# Altium PCB EPS_v1.PcbDoc (part 1 of 4) (continued)
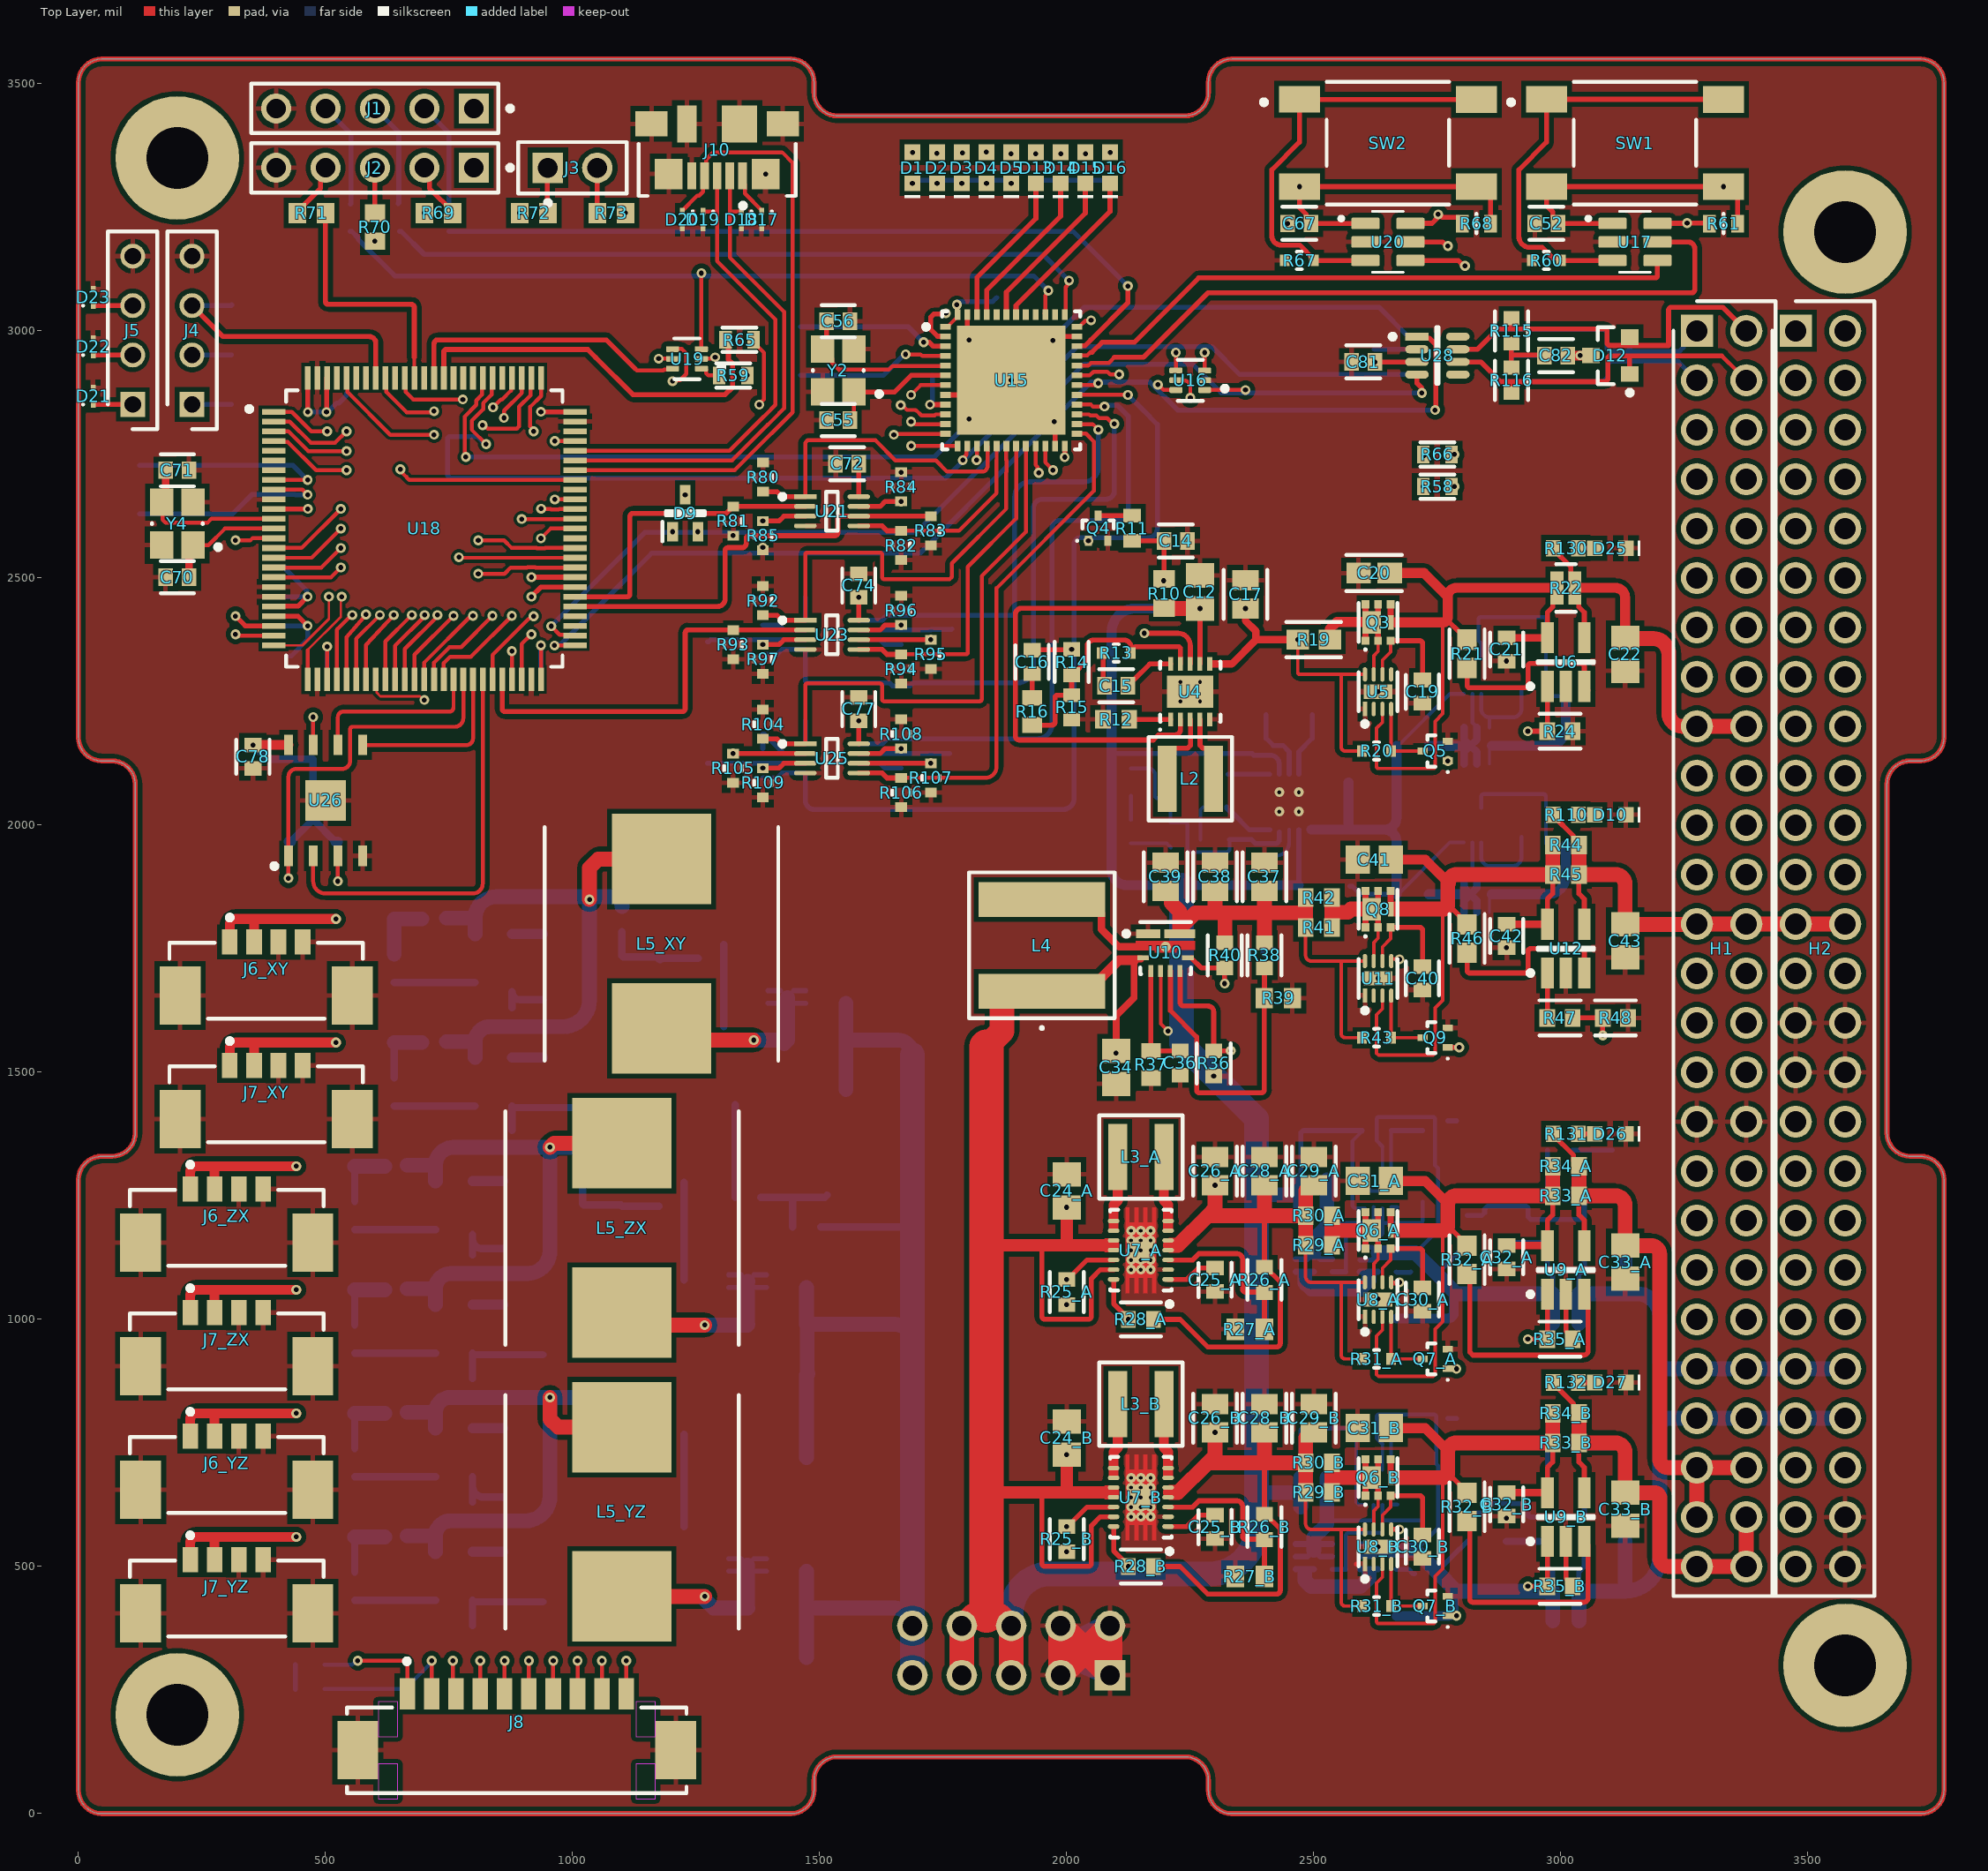
[diagram p0: Top Layer view]
## Components (designator, comment, footprint, x,y, rotation, side; value= is the part's Value field where it differs from the comment) (continued)
C53 "1.5pF" FP-C0603C-CF-MFG 1437.6,3008.27 r180 bottom locked value="1.5 pF"
C54 "1.5pF" FP-C0603C-CF-MFG 1437.6,2909.84 r180 bottom locked value="1.5 pF"
C55 "3.9pF" FP-CBR06C-MFG 1537.6,2819.68 r180 top locked value="3.9 pF"
C56 "3.9pF" FP-CBR06C-MFG 1537.6,3019.68 r0 top locked value="3.9 pF"
C57 "0.1uF" FP-C0603C-CF-MFG 463.78,2905.12 r90 bottom locked value="0.10 μF"
C58 "0.1uF" FP-C0603C-CF-MFG 1005.12,2836.22 r0 bottom locked value="0.10 μF"
C59 "0.1uF" FP-C0603C-CF-MFG 936.22,2294.88 r270 bottom locked value="0.10 μF"
C60 "0.1uF" FP-C0603C-CF-MFG 503.15,2294.88 r270 bottom locked value="0.10 μF"
C61 "0.1uF" FP-C0603C-CF-MFG 394.88,2639.37 r180 bottom locked value="0.10 μF"
C62 "4.7uF" FP-GRM188-0_15-IPC_A 542.52,2905.12 r90 bottom locked
C63 "0.1uF" FP-C0603C-CF-MFG 394.88,2521.26 r180 bottom locked value="0.10 μF"
C64 "1uF" CAPC1608X90X35LL15T15 394.88,2462.2 r180 bottom locked
C65 "1uF" CAPC1608X90X35LL15T15 394.88,2403.15 r180 bottom locked
C66 "10nF" FP-GRM188-0_1-e0_2_0_5-IPC_A 394.88,2342.13 r180 bottom locked
C67 "0.1uF" FP-C0603C-CF-MFG 2470.87,3217.4 r180 top locked value="0.10 μF"
C68 "1.5pF" FP-C0603C-CF-MFG 100,2727.95 r180 bottom locked value="1.5 pF"
C69 "1.5pF" FP-C0603C-CF-MFG 100,2629.53 r180 bottom locked value="1.5 pF"
C70 "3.9pF" FP-CBR06C-MFG 200,2501.57 r180 top locked value="3.9 pF"
C71 "3.9pF" FP-CBR06C-MFG 200,2718.11 r0 top locked value="3.9 pF"
C72 "0.1uF" FP-C0603C-CF-MFG 1555.55,2731.38 r0 top locked value="0.10 μF"
C73 "0.1uF" FP-C0603C-CF-MFG 1470.83,2485 r270 bottom locked value="0.10 μF"
C74 "0.1uF" FP-C0603C-CF-MFG 1579.17,2485 r270 top locked value="0.10 μF"
C75 "0.1uF" FP-C0603C-CF-MFG 1470.83,2235 r270 bottom locked value="0.10 μF"
C77 "0.1uF" FP-C0603C-CF-MFG 1579.17,2235 r270 top locked value="0.10 μF"
C78 "0.1uF" FP-C0603C-CF-MFG 353.25,2138.58 r270 top locked value="0.10 μF"
C79 "0.1uF" FP-C0603C-CF-MFG 2600,2962.8 r180 bottom locked value="0.10 μF"
C80 "C0603C472K2RACTU" FP-C0603C-CF-MFG 2990,2950 r0 bottom locked value="4,700 pF"
C81 "0.1uF" FP-C0603C-CF-MFG 2600,2937.2 r180 top locked value="0.10 μF"
C82 "C0603C472K2RACTU" FP-C0603C-CF-MFG 2990,2950 r0 top locked value="4,700 pF"
C83_XY "0.1uF" FP-C0603C-CF-MFG 940,1756.23 r270 bottom locked value="0.10 μF" (schematic designator C83)
C83_YZ "0.1uF" FP-C0603C-CF-MFG 860,756.23 r270 bottom locked value="0.10 μF" (schematic designator C83)
C83_ZX "0.1uF" FP-C0603C-CF-MFG 860,1256.23 r270 bottom locked value="0.10 μF" (schematic designator C83)
C85_XY "0.1uF" FP-C0603C-CF-MFG 940,1506.23 r270 bottom locked value="0.10 μF" (schematic designator C85)
C85_YZ "0.1uF" FP-C0603C-CF-MFG 860,506.23 r270 bottom locked value="0.10 μF" (schematic designator C85)
C85_ZX "0.1uF" FP-C0603C-CF-MFG 860,1006.23 r270 bottom locked value="0.10 μF" (schematic designator C85)
C87_XY "0.1uF" FP-C0603C-CF-MFG 1281.97,1592.48 r180 bottom locked value="0.10 μF" (schematic designator C87)
C87_YZ "0.1uF" FP-C0603C-CF-MFG 1201.97,581.04 r180 bottom locked value="0.10 μF" (schematic designator C87)
C87_ZX "0.1uF" FP-C0603C-CF-MFG 1201.97,1079.77 r180 bottom locked value="0.10 μF" (schematic designator C87)
C88 "22uF" FP-GRM21B-0_2-e0_2_0_7-IPC_C#2 1473.31,518.84 r90 bottom locked
C89 "22uF" FP-GRM21B-0_2-e0_2_0_7-IPC_C#2 1447.21,890.12 r180 bottom locked
C90 "22uF" FP-GRM21B-0_2-e0_2_0_7-IPC_C#2 1524.73,1465.12 r180 bottom locked
C91 "22uF" FP-GRM21B-0_2-e0_2_0_7-IPC_C#2 1473.31,1093.1 r90 bottom locked
C92 "22uF" FP-GRM21B-0_2-e0_2_0_7-IPC_C#2 1444.73,315.85 r180 bottom locked
C93 "22uF" FP-GRM21B-0_2-e0_2_0_7-IPC_C#2 1553.31,1668.1 r90 bottom locked
C94 "0.1uF" FP-C0603C-CF-MFG 1449.68,720.12 r180 bottom locked value="0.10 μF"
C95 "0.1uF" FP-C0603C-CF-MFG 1449.68,800.12 r180 bottom locked value="0.10 μF"
C96 "0.1uF" FP-C0603C-CF-MFG 1515,1275.24 r90 bottom locked value="0.10 μF"
C97 "0.1uF" FP-C0603C-CF-MFG 1353.03,1400.77 r0 bottom locked value="0.10 μF"
C98 "0.1uF" FP-C0603C-CF-MFG 1751.77,2909.84 r0 bottom locked value="0.10 μF"
C104_XY "0.1uF" FP-C0603C-CF-MFG 1180,1707.04 r270 bottom locked value="0.10 μF" (schematic designator C104)
C104_YZ "0.1uF" FP-C0603C-CF-MFG 1100,704.11 r270 bottom locked value="0.10 μF" (schematic designator C104)
C104_ZX "0.1uF" FP-C0603C-CF-MFG 1100,1205.29 r270 bottom locked value="0.10 μF" (schematic designator C104)
D1 "150060RS75000" WL-SMCW_0603_150060xx75000 1687.6,3330 r90 top locked
D2 "150060RS75000" WL-SMCW_0603_150060xx75000 1737.6,3330 r90 top locked
D3 "150060RS75000" WL-SMCW_0603_150060xx75000 1787.6,3330 r90 top locked
D4 "150060RS75000" WL-SMCW_0603_150060xx75000 1837.6,3330 r90 top locked
D5 "150060RS75000" WL-SMCW_0603_150060xx75000 1887.6,3330 r90 top locked
D6 "ESD9B5.0ST5G" ONSC-SOD-923-2-514AB-01_V 309.84,2867.73 r90 bottom locked
D7 "ESD9B5.0ST5G" ONSC-SOD-923-2-514AB-01_V 309.84,2967.73 r90 bottom locked
D8 "ESD9B5.0ST5G" ONSC-SOD-923-2-514AB-01_V 309.84,3067.73 r90 bottom locked
D9 "BAS40-05W" SOT65P210X110-3N 1227.83,2631.06 r90 top locked
D10 "150060RS75000" WL-SMCW_0603_150060xx75000 3100,2021.02 r180 top locked
D11 "NUP2105LT1G" ONSC-SOT-23-3-318-08_V 3100,2950 r180 bottom locked
D12 "NUP2105LT1G" ONSC-SOT-23-3-318-08_V 3100,2950 r180 top locked
D13 "150060RS75000" WL-SMCW_0603_150060xx75000 1937.6,3330 r90 top locked
D13_XY "NRVB120VLSFT1G" SODFL3616X98N 580,1810 r180 bottom locked (schematic designator D13)
D13_YZ "NRVB120VLSFT1G" SODFL3616X98N 500,810 r180 bottom locked (schematic designator D13)
D13_ZX "NRVB120VLSFT1G" SODFL3616X98N 500,1310 r180 bottom locked (schematic designator D13)
D14 "150060RS75000" WL-SMCW_0603_150060xx75000 1987.6,3330 r90 top locked
D14_XY "NRVB120VLSFT1G" SODFL3616X98N 580,1560 r180 bottom locked (schematic designator D14)
D14_YZ "NRVB120VLSFT1G" SODFL3616X98N 500,560 r180 bottom locked (schematic designator D14)
D14_ZX "NRVB120VLSFT1G" SODFL3616X98N 500,1060 r180 bottom locked (schematic designator D14)
D15 "150060RS75000" WL-SMCW_0603_150060xx75000 2037.6,3330 r90 top locked
D15_XY "NRVB120VLSFT1G" SODFL3616X98N 1494.25,1565.12 r180 bottom locked (schematic designator D15)
D15_YZ "NRVB120VLSFT1G" SODFL3616X98N 1414.25,415.85 r180 bottom locked (schematic designator D15)
D15_ZX "NRVB120VLSFT1G" SODFL3616X98N 1414.25,990.12 r180 bottom locked (schematic designator D15)
D16 "150060RS75000" WL-SMCW_0603_150060xx75000 2087.6,3330 r90 top locked
D17 "ESD9B5.0ST5G" ONSC-SOD-923-2-514AB-01_V 1382.56,3225 r270 top locked
D18 "ESD9B5.0ST5G" ONSC-SOD-923-2-514AB-01_V 1341.2,3225 r270 top locked
D19 "ESD9B5.0ST5G" ONSC-SOD-923-2-514AB-01_V 1263.8,3225 r270 top locked
D20 "ESD9B5.0ST5G" ONSC-SOD-923-2-514AB-01_V 1222.3,3225 r270 top locked
D21 "ESD9B5.0ST5G" ONSC-SOD-923-2-514AB-01_V 29.84,2867.73 r90 top locked
D22 "ESD9B5.0ST5G" ONSC-SOD-923-2-514AB-01_V 29.84,2967.73 r90 top locked
D23 "ESD9B5.0ST5G" ONSC-SOD-923-2-514AB-01_V 29.84,3067.73 r90 top locked
D25 "150060RS75000" WL-SMCW_0603_150060xx75000 3100,2560.3 r180 top locked
D26 "150060RS75000" WL-SMCW_0603_150060xx75000 3100,1375.43 r180 top locked
D27 "150060RS75000" WL-SMCW_0603_150060xx75000 3100,872.32 r180 top locked
H1 "ESQ-126-39-G-D-001" RHDR52W64P254_2X26_6654X495X1135P 3275.2,3000 r270 top locked
H2 "ESQ-126-39-G-D-001" RHDR52W64P254_2X26_6654X495X1135P 3475.2,3000 r270 top locked
J1 "90120-0125" FP-90120-0125-MFG 600,3450 r180 top locked
J2 "90120-0125" FP-90120-0125-MFG 600,3330 r180 top locked
J3 "M20-9990245" FP-M20-9990245-MFG 1000,3330 r0 top locked
J4 "90120-0124" HDRV4W65P0X254_1X4_1016X254X945P 229.84,2851.2 r90 top locked
J5 "90120-0124" HDRV4W65P0X254_1X4_1016X254X945P 109.84,2851.2 r90 top locked
J6_XY "533980471" FP-533980471-MFG 380,1685 r180 top locked (schematic designator J6)
J6_YZ "533980471" FP-533980471-MFG 300,685 r180 top locked (schematic designator J6)
J6_ZX "533980471" FP-533980471-MFG 300,1185 r180 top locked (schematic designator J6)
J7_XY "533980471" FP-533980471-MFG 380,1435 r180 top locked (schematic designator J7)
J7_YZ "533980471" FP-533980471-MFG 300,435 r180 top locked (schematic designator J7)
J7_ZX "533980471" FP-533980471-MFG 300,935 r180 top locked (schematic designator J7)
J8 "53261-1071" FP-532611071-MFG 887,147.9 r180 top locked
J9 "IPT1-105-03-L-D" FP-IPT1-105-03-L-D-MFG 1887.6,330 r180 bottom locked
J10 "473460001" FP-473460001-MFG 1292.5,3405 r180 top locked
L1 "XGL4020-472MEC" FP-XGL4020-MFG 2450,2223.17 r180 bottom locked value=4.7uH
L2 "XGL4020-472MEC" FP-XGL4020-MFG 2250,2093.74 r180 top locked value=4.7uH
L3_A "XGL4020-152MEC" FP-XGL4020-MFG 2150,1328.57 r0 top locked value=1.5uH (schematic designator L3)
L3_B "XGL4020-152MEC" FP-XGL4020-MFG 2150,828.57 r0 top locked value=1.5uH (schematic designator L3)
L4 "XAL7030-102MEC" XAL7030102MEC 1949.68,1756.69 r90 top locked
L5_XY "MSS1278H-104KED" INDPM120120X805N 1180,1760 r270 top locked (schematic designator L5)
L5_YZ "MSS1278H-104KED" INDPM120120X805N 1100,610.74 r270 top locked (schematic designator L5)
L5_ZX "MSS1278H-104KED" INDPM120120X805N 1100,1185 r270 top locked (schematic designator L5)
Q1 "SSM6K514NU,LF" UDFN6B 2830,1860 r0 bottom locked
Q2 "SSM6K514NU,LF" UDFN6B 2830,2160 r0 bottom locked
Q3 "SSM6K514NU,LF" UDFN6B 2630,2410 r0 top locked
Q4 "DTC144EET1G" ONSC-SC-75-3-463-01_V 2063.62,2600.77 r90 top locked
Q5 "DTC144EET1G" ONSC-SC-75-3-463-01_V 2745.49,2150 r180 top locked
Q6_A "SSM6K514NU,LF" UDFN6B 2630,1180 r0 top locked (schematic designator Q6)
Q6_B "SSM6K514NU,LF" UDFN6B 2630,680 r0 top locked (schematic designator Q6)
Q7_A "DTC144EET1G" ONSC-SC-75-3-463-01_V 2745.49,920 r180 top locked (schematic designator Q7)
Q7_B "DTC144EET1G" ONSC-SC-75-3-463-01_V 2745.49,420 r180 top locked (schematic designator Q7)
Q8 "SSM6K514NU,LF" UDFN6B 2630,1830 r0 top locked
Q9 "DTC144EET1G" ONSC-SC-75-3-463-01_V 2745.49,1570 r180 top locked
Q10_M "SSM6K514NU,LF" UDFN6B 2500,1120 r270 bottom locked (schematic designator Q10)
Q10_N "SSM6K514NU,LF" UDFN6B 2500,520 r270 bottom locked (schematic designator Q10)
Q11_M "SSM6K514NU,LF" UDFN6B 2630,1120 r270 bottom locked (schematic designator Q11)
Q11_N "SSM6K514NU,LF" UDFN6B 2630,520 r270 bottom locked (schematic designator Q11)
Q12_M "DTC144EET1G" ONSC-SC-75-3-463-01_V 2745.49,1381.97 r180 bottom locked (schematic designator Q12)
Q12_N "DTC144EET1G" ONSC-SC-75-3-463-01_V 2745.49,780 r180 bottom locked (schematic designator Q12)
R1 "100K" RESC1608X55X30ML20T10 2397.12,1848.4 r90 bottom locked
R2 "33.2K" RESC1608X55X30NL15T15 2300,2103.01 r0 bottom locked
R3 "10K" FP-RK73B1J-MFG 2300,1970.53 r0 bottom locked
R4 "1M" FP-ERJ3EK-IPC_C 2210,1980 r90 bottom locked
R5 "576K" RESC1608X55X30LL15T15#1 2210,2078.41 r270 bottom locked
R6 "15K" RESC1608X55X30NL20T10 2130,2086.91 r270 bottom locked
R7 "0.5 OHM" FP-CSR0603-IPC_A 2700,1860 r0 bottom locked
R8 "0.25 Ohm" FP-CSR0603-IPC_A 2700,2160 r0 bottom locked
R9 "10K" FP-RK73B1J-MFG 2886.1,2390 r0 bottom locked
R10 "100K" RESC1608X55X30ML20T10 2197.12,2468.51 r270 top locked
R11 "100" RESC1608X55X30LL20T10 2131.99,2600.68 r270 top locked
R12 "33.2K" RESC1608X55X30NL15T15 2100,2213.9 r0 top locked
R13 "10K" FP-RK73B1J-MFG 2100,2348.21 r0 top locked
R14 "1M" FP-ERJ3EK-IPC_C 2010,2330 r270 top locked
R15 "576K" RESC1608X55X30LL15T15#1 2010,2238.5 r90 top locked
R16 "15K" RESC1608X55X30NL20T10 1930,2230 r90 top locked
R19 "0.2 OHM" FP-CSR0603-IPC_A 2500,2375.28 r0 top locked
R20 "10K" FP-RK73B1J-MFG 2627.05,2150 r0 top locked
R21 "A 100" FP-ERA3A-IPC_B 2810,2346.71 r270 top locked
R22 "0.025" FP-PRL0816-MFG 3010,2480 r0 top locked
R24 "4.99K" FP-ERA3A-IPC_C 2998.21,2190 r0 top locked
R25_A "1M" FP-ERJ3EK-IPC_C 2000,1055.32 r90 top locked (schematic designator R25)
R25_B "1M" FP-ERJ3EK-IPC_C 2000,555.32 r90 top locked (schematic designator R25)
R26_A "1M" FP-ERJ3EK-IPC_C 2400,1080 r90 top locked (schematic designator R26)
R26_B "1M" FP-ERJ3EK-IPC_C 2400,580 r90 top locked (schematic designator R26)
R27_A "F180K" RESC1608X55X30ML20T10 2370.47,980 r0 top locked (schematic designator R27)
R27_B "F180K" RESC1608X55X30ML20T10 2370.47,480 r0 top locked (schematic designator R27)
R28_A "1M" FP-ERJ3EK-IPC_C 2150,1000 r0 top locked (schematic designator R28)
R28_B "1M" FP-ERJ3EK-IPC_C 2150,500 r0 top locked (schematic designator R28)
R29_A "0.05 Ohm" RESC1608X55X30NL15T15 2510,1150 r0 top locked (schematic designator R29)
R29_B "0.05 Ohm" RESC1608X55X30NL15T15 2510,650 r0 top locked (schematic designator R29)
R30_A "0.05 Ohm" RESC1608X55X30NL15T15 2510,1210 r0 top locked (schematic designator R30)
R30_B "0.05 Ohm" RESC1608X55X30NL15T15 2510,710 r0 top locked (schematic designator R30)
R31_A "10K" FP-RK73B1J-MFG 2627.05,920 r0 top locked (schematic designator R31)
R31_B "10K" FP-RK73B1J-MFG 2627.05,420 r0 top locked (schematic designator R31)
R32_A "A 100" FP-ERA3A-IPC_B 2810,1120.64 r270 top locked (schematic designator R32)
R32_B "A 100" FP-ERA3A-IPC_B 2810,620.64 r270 top locked (schematic designator R32)
R33_A "0.05 Ohm" RESC1608X55X30NL15T15 3010,1250 r0 top locked (schematic designator R33)
R33_B "0.05 Ohm" RESC1608X55X30NL15T15 3010,750 r0 top locked (schematic designator R33)
R34_A "0.05 Ohm" RESC1608X55X30NL15T15 3010,1310 r0 top locked (schematic designator R34)
R34_B "0.05 Ohm" RESC1608X55X30NL15T15 3010,810 r0 top locked (schematic designator R34)
R35_A "4.99K" FP-ERA3A-IPC_C 2998.21,960 r0 top locked (schematic designator R35)
R35_B "4.99K" FP-ERA3A-IPC_C 2998.21,460 r0 top locked (schematic designator R35)
R36 "1M" FP-ERJ3EK-IPC_C 2297.36,1517.84 r270 top locked
R37 "82.5K" RESC1608X55X30NL20T10 2170.47,1515.91 r90 top locked
R38 "1M" FP-ERJ3EK-IPC_C 2400,1736.59 r270 top locked
R39 "332K" RESC1608X55X30ML15T15 2428.11,1650 r180 top locked
R40 "1M" FP-ERJ3EK-IPC_C 2320,1736.59 r270 top locked
R41 "0.05 Ohm" RESC1608X55X30NL15T15 2510,1793.09 r0 top locked
R42 "0.05 Ohm" RESC1608X55X30NL15T15 2510,1853.09 r0 top locked
R43 "10K" FP-RK73B1J-MFG 2627.05,1570 r0 top locked
R44 "0.05 Ohm" RESC1608X55X30NL15T15 3010,1960 r0 top locked
R45 "0.05 Ohm" RESC1608X55X30NL15T15 3010,1900 r0 top locked
R46 "A 100" FP-ERA3A-IPC_B 2810,1770.64 r270 top locked
R47 "4.99K" FP-ERA3A-IPC_C 2998.21,1610 r0 top locked
R48 "4.99K" FP-ERA3A-IPC_C 3110.32,1610 r0 top locked
R49_M "0.05 Ohm" RESC1608X55X30NL15T15 2500,1280 r0 bottom locked (schematic designator R49)
R49_N "0.05 Ohm" RESC1608X55X30NL15T15 2500,620 r0 bottom locked (schematic designator R49)
R50_M "0.05 Ohm" RESC1608X55X30NL15T15 2500,1220 r0 bottom locked (schematic designator R50)
R50_N "0.05 Ohm" RESC1608X55X30NL15T15 2500,680 r0 bottom locked (schematic designator R50)
R51_M "10K" FP-RK73B1J-MFG 2627.05,1381.97 r0 bottom locked (schematic designator R51)
R51_N "10K" FP-RK73B1J-MFG 2627.05,780 r0 bottom locked (schematic designator R51)
R53_M "A 100" FP-ERA3A-IPC_B 2810,1179.36 r90 bottom locked (schematic designator R53)
R53_N "A 100" FP-ERA3A-IPC_B 2810,579.36 r90 bottom locked (schematic designator R53)
R54_M "0.05 Ohm" RESC1608X55X30NL15T15 3010,990.63 r0 bottom locked (schematic designator R54)
R54_N "0.05 Ohm" RESC1608X55X30NL15T15 3010,390.63 r0 bottom locked (schematic designator R54)
R55_M "0.05 Ohm" RESC1608X55X30NL15T15 3010,1050 r0 bottom locked (schematic designator R55)
R55_N "0.05 Ohm" RESC1608X55X30NL15T15 3010,450 r0 bottom locked (schematic designator R55)
R56_M "4.99K" FP-ERA3A-IPC_C 2998.21,1340 r0 bottom locked (schematic designator R56)
R56_N "4.99K" FP-ERA3A-IPC_C 2998.21,740 r0 bottom locked (schematic designator R56)
R57_M "4.99K" FP-ERA3A-IPC_C 3130,1340 r0 bottom locked (schematic designator R57)
R57_N "4.99K" FP-ERA3A-IPC_C 3130,740 r0 bottom locked (schematic designator R57)
R58 "100 ohm" FP-ERJP03-MFG 2750,2685 r180 top locked
R59 "100 ohm" FP-ERJP03-MFG 1325,2909.84 r0 top locked
R60 "10K" FP-RK73B1J-MFG 2970.87,3142.6 r0 top locked
R61 "100K" FP-ERA3A-MFG 3329.13,3216.99 r180 top locked
R62 "ERJ-3EKF49R9V" RESC1608X55X30ML15T15 750,3230 r90 bottom locked
R63 "ERJ-3EKF49R9V" RESC1608X55X30ML15T15 650,3230 r90 bottom locked
R64 "ERJ-3EKF49R9V" RESC1608X55X30ML15T15 550,3230 r90 bottom locked
R65 "100 ohm" FP-ERJP03-MFG 1337.78,2981.9 r180 top locked
R66 "100 ohm" FP-ERJP03-MFG 2750,2750 r180 top locked
R67 "10K" FP-RK73B1J-MFG 2470.87,3142.6 r0 top locked
R68 "100K" FP-ERA3A-MFG 2829.13,3216.99 r180 top locked
R69 "ERJ-3EKF49R9V" RESC1608X55X30ML15T15 728.54,3238.54 r0 top locked
R70 "ERJ-3EKF49R9V" RESC1608X55X30ML15T15 600,3210 r90 top locked
R71 "ERJ-3EKF49R9V" RESC1608X55X30ML15T15 471.46,3238.54 r180 top locked
R72 "ERJ-3EKF49R9V" RESC1608X55X30ML15T15 921.46,3238.54 r0 top locked
R73 "ERJ-3EKF49R9V" RESC1608X55X30ML15T15 1078.54,3238.54 r180 top locked
R74 "ERJ-3EKF3300V" RESC1608X55X30LL15T15#2 1687.6,3330 r90 bottom locked
R75 "ERJ-3EKF3300V" RESC1608X55X30LL15T15#2 1737.6,3330 r90 bottom locked
R76 "ERJ-3EKF3300V" RESC1608X55X30LL15T15#2 1787.6,3330 r90 bottom locked
R77 "ERJ-3EKF3300V" RESC1608X55X30LL15T15#2 1837.6,3330 r90 bottom locked
R78 "ERJ-3EKF3300V" RESC1608X55X30LL15T15#2 1887.6,3330 r90 bottom locked
R80 "10K" FP-RK73B1J-MFG 1385.41,2704.06 r270 top locked
R81 "10K" FP-RK73B1J-MFG 1325,2615.31 r90 top locked
R82 "10K" FP-RK73B1J-MFG 1665,2565.94 r90 top locked
R83 "10K" FP-RK73B1J-MFG 1725,2595.63 r90 top locked
R84 "10K" FP-RK73B1J-MFG 1665,2684.37 r270 top locked
R85 "10K" FP-RK73B1J-MFG 1385,2585.63 r90 top locked
R86 "10K" FP-RK73B1J-MFG 1665,2454.06 r270 bottom locked
R87 "10K" FP-RK73B1J-MFG 1725,2365.31 r90 bottom locked
R88 "10K" FP-RK73B1J-MFG 1385,2315.94 r90 bottom locked
R89 "10K" FP-RK73B1J-MFG 1325,2345.63 r90 bottom locked
R90 "10K" FP-RK73B1J-MFG 1385,2434.37 r270 bottom locked
R91 "10K" FP-RK73B1J-MFG 1665,2335.63 r90 bottom locked
R92 "10K" FP-RK73B1J-MFG 1385,2454.06 r270 top locked
R93 "10K" FP-RK73B1J-MFG 1325,2365.31 r90 top locked
R94 "10K" FP-RK73B1J-MFG 1665,2315.94 r90 top locked
R95 "10K" FP-RK73B1J-MFG 1725,2345.63 r90 top locked
R96 "10K" FP-RK73B1J-MFG 1665,2434.37 r270 top locked
R97 "10K" FP-RK73B1J-MFG 1385,2335.63 r90 top locked
R98 "10K" FP-RK73B1J-MFG 1665,2204.06 r270 bottom locked
R99 "10K" FP-RK73B1J-MFG 1725,2115.31 r90 bottom locked
R100 "10K" FP-RK73B1J-MFG 1385,2065.94 r90 bottom locked
R101 "10K" FP-RK73B1J-MFG 1325,2095.63 r90 bottom locked
R102 "10K" FP-RK73B1J-MFG 1385,2184.37 r270 bottom locked
R103 "10K" FP-RK73B1J-MFG 1665,2085.63 r90 bottom locked
R104 "10K" FP-RK73B1J-MFG 1385,2204.06 r270 top locked
R105 "10K" FP-RK73B1J-MFG 1324.59,2115.31 r90 top locked
R106 "10K" FP-RK73B1J-MFG 1665,2065.94 r90 top locked
R107 "10K" FP-RK73B1J-MFG 1725,2095.63 r90 top locked
R108 "10K" FP-RK73B1J-MFG 1665,2184.37 r270 top locked
R109 "10K" FP-RK73B1J-MFG 1385,2085.63 r90 top locked
R110 "ERJ-3EKF3300V" RESC1608X55X30LL15T15#2 3010,2021.02 r0 top locked
R111 "100K" FP-ERA3A-MFG 525,1937.8 r270 bottom locked
R112 "100K" FP-ERA3A-MFG 475,2162.2 r90 bottom locked
R113 "60.4 Ohm" FP-RC1608-IPC_C 2900,2900 r90 bottom locked
R114 "60.4 Ohm" FP-RC1608-IPC_C 2900,3000 r90 bottom locked
R115 "60.4 Ohm" FP-RC1608-IPC_C 2900,3000 r270 top locked
R116 "60.4 Ohm" FP-RC1608-IPC_C 2900,2900 r270 top locked
R117 "ERJ-3EKF3300V" RESC1608X55X30LL15T15#2 1937.6,3330 r90 bottom locked
R117_XY "A 100" FP-ERA3A-IPC_B 639.06,1710 r270 bottom locked (schematic designator R117)
R117_YZ "A 100" FP-ERA3A-IPC_B 559.06,710 r270 bottom locked (schematic designator R117)
R117_ZX "A 100" FP-ERA3A-IPC_B 559.06,1210 r270 bottom locked (schematic designator R117)
R118 "ERJ-3EKF3300V" RESC1608X55X30LL15T15#2 1987.6,3330 r90 bottom locked
R118_XY "0.025" FP-PRL0816-MFG 720,1810 r0 bottom locked (schematic designator R118)
R118_YZ "0.025" FP-PRL0816-MFG 640,810 r0 bottom locked (schematic designator R118)
R118_ZX "0.025" FP-PRL0816-MFG 640,1310 r0 bottom locked (schematic designator R118)
R119 "ERJ-3EKF3300V" RESC1608X55X30LL15T15#2 2037.6,3330 r90 bottom locked
R119_XY "4.99K" FP-ERA3A-IPC_C 940,1665 r90 bottom locked (schematic designator R119)
R119_YZ "4.99K" FP-ERA3A-IPC_C 860,665 r90 bottom locked (schematic designator R119)
R119_ZX "4.99K" FP-ERA3A-IPC_C 860,1165 r90 bottom locked (schematic designator R119)
R120 "ERJ-3EKF3300V" RESC1608X55X30LL15T15#2 2087.6,3330 r90 bottom locked
R120_XY "A 100" FP-ERA3A-IPC_B 639.06,1460 r270 bottom locked (schematic designator R120)
R120_YZ "A 100" FP-ERA3A-IPC_B 559.06,460 r270 bottom locked (schematic designator R120)
R120_ZX "A 100" FP-ERA3A-IPC_B 559.06,960 r270 bottom locked (schematic designator R120)
R121_XY "0.025" FP-PRL0816-MFG 720,1560 r0 bottom locked (schematic designator R121)
R121_YZ "0.025" FP-PRL0816-MFG 640,560 r0 bottom locked (schematic designator R121)
R121_ZX "0.025" FP-PRL0816-MFG 640,1060 r0 bottom locked (schematic designator R121)
R122_XY "4.99K" FP-ERA3A-IPC_C 1020,1454.11 r90 bottom locked (schematic designator R122)
R122_YZ "4.99K" FP-ERA3A-IPC_C 940,454.11 r90 bottom locked (schematic designator R122)
R122_ZX "4.99K" FP-ERA3A-IPC_C 940,954.11 r90 bottom locked (schematic designator R122)
R123_XY "ERJ-3EKF9312V" FP-ERJ3EK-IPC_C 1100,1810 r270 bottom locked (schematic designator R123)
R123_YZ "ERJ-3EKF9312V" FP-ERJ3EK-IPC_C 1020,793.27 r270 bottom locked (schematic designator R123)
R123_ZX "ERJ-3EKF9312V" FP-ERJ3EK-IPC_C 1020,1303.02 r270 bottom locked (schematic designator R123)
R124_XY "100K" FP-ERA3A-MFG 1100,1707.04 r270 bottom locked (schematic designator R124)
R124_YZ "100K" FP-ERA3A-MFG 1020,704.11 r270 bottom locked (schematic designator R124)
R124_ZX "100K" FP-ERA3A-MFG 1020,1205.29 r270 bottom locked (schematic designator R124)
R125 "ERJ-3EKF3003V" FP-ERJ3EK-MFG 1473.54,1187.29 r180 bottom locked
R126 "100K" FP-ERA3A-MFG 1445,1275.24 r90 bottom locked
R127 "100K" FP-ERA3A-MFG 425,1937.8 r270 bottom locked
R128 "10K" FP-RK73B1J-MFG 468.25,251.79 r180 bottom locked
R129 "10K" FP-RK73B1J-MFG 468.25,301 r180 bottom locked
R130 "ERJ-3EKF3300V" RESC1608X55X30LL15T15#2 3010,2560.3 r0 top locked
R131 "ERJ-3EKF3300V" RESC1608X55X30LL15T15#2 3010,1375.43 r0 top locked
R132 "ERJ-3EKF3300V" RESC1608X55X30LL15T15#2 3010,872.32 r0 top locked
SW1 "FSM2JSMAA" FP-FSM2JSMAA-MFG 3150,3380 r90 top locked
SW2 "FSM2JSMAA" FP-FSM2JSMAA-MFG 2650,3380 r90 top locked
U1 "LTC3530EDD#PBF" LT-DD-10_V 2450,2046.91 r270 bottom locked
U2 "LTC4361HDC-2#TRPBF" FP-DC8-8-05-08-1719-IPC_C 2830,2000 r270 bottom locked
U3 "LTC4361HDC-2#TRPBF" FP-DC8-8-05-08-1719-IPC_C 2830,2300 r270 bottom locked
U4 "LTC3530EDD#PBF" LT-DD-10_V 2250,2270 r90 top locked
U5 "LTC4361HDC-2#TRPBF" FP-DC8-8-05-08-1719-IPC_C 2630,2270 r90 top locked
U6 "LT6106HS5#TRPBF" LT-S5-5-TSOT-23_M 3010,2330 r90 top locked
U7_A "TPS63020QDSJRQ1" FP-DSJ0014A-MFG 2150,1140 r90 top locked (schematic designator U7)
U7_B "TPS63020QDSJRQ1" FP-DSJ0014A-MFG 2150,640 r90 top locked (schematic designator U7)
U8_A "LTC4361HDC-2#TRPBF" FP-DC8-8-05-08-1719-IPC_C 2630,1040 r90 top locked (schematic designator U8)
U8_B "LTC4361HDC-2#TRPBF" FP-DC8-8-05-08-1719-IPC_C 2630,540 r90 top locked (schematic designator U8)
U9_A "LT6106HS5#TRPBF" LT-S5-5-TSOT-23_M 3010,1100 r90 top locked (schematic designator U9)
U9_B "LT6106HS5#TRPBF" LT-S5-5-TSOT-23_M 3010,600 r90 top locked (schematic designator U9)
U10 "TPS61235PRWLT" FP-RWL0009A-MFG 2200,1750 r0 top locked
U11 "LTC4361HDC-2#TRPBF" FP-DC8-8-05-08-1719-IPC_C 2630,1690 r90 top locked
U12 "LT6106HS5#TRPBF" LT-S5-5-TSOT-23_M 3010,1750 r90 top locked
U13_M "LTC4361HDC-2#TRPBF" FP-DC8-8-05-08-1719-IPC_C 2630,1260 r270 bottom locked (schematic designator U13)
U13_N "LTC4361HDC-2#TRPBF" FP-DC8-8-05-08-1719-IPC_C 2630,660 r270 bottom locked (schematic designator U13)
U14_M "LT6106HS5#TRPBF" LT-S5-5-TSOT-23_M 3010,1200 r270 bottom locked (schematic designator U14)
U14_N "LT6106HS5#TRPBF" LT-S5-5-TSOT-23_M 3010,600 r270 bottom locked (schematic designator U14)
U15 "STM32L452CEU6" FP-UFQFPN48-A0B9-MFG 1887.6,2900 r0 top locked
U16 "SN74LVC2G34DRLR" FP-DRL0006A-MFG 2250,2900 r180 top locked
U17 "TPL5010QDDCTQ1" SOT95P280X110-6N 3150,3180 r0 top locked
U18 "STM32L496VGT6" FP-LQFP100-1L-MFG 700,2600 r0 top locked
U19 "SN74LVC2G34DRLR" FP-DRL0006A-MFG 1231.48,2943.43 r180 top locked
U20 "TPL5010QDDCTQ1" SOT95P280X110-6N 2650,3180 r0 top locked
U21 "SN74LVC2G32DCUT" FP-DCU0008A-IPC_B 1525,2635 r0 top locked
U22 "SN74LVC2G32DCUT" FP-DCU0008A-IPC_B 1525,2385 r180 bottom locked
U23 "SN74LVC2G32DCUT" FP-DCU0008A-IPC_B 1525,2385 r0 top locked
U24 "SN74LVC2G32DCUT" FP-DCU0008A-IPC_B 1525,2135 r180 bottom locked
U25 "SN74LVC2G32DCUT" FP-DCU0008A-IPC_B 1525,2135 r0 top locked
U26 "MR25H40MDF" SON127P600X500X90-9N-D 500,2050 r90 top locked
U27 "TCAN332GDCNT" FP-DCN0008A-IPC_C 2750,2950 r0 bottom locked
U28 "TCAN332GDCNT" FP-DCN0008A-IPC_C 2750,2950 r0 top locked
U29_XY "LT6106HS5#TRPBF" LT-S5-5-TSOT-23_M 840,1730.64 r90 bottom locked (schematic designator U29)
U29_YZ "LT6106HS5#TRPBF" LT-S5-5-TSOT-23_M 760,730.64 r90 bottom locked (schematic designator U29)
U29_ZX "LT6106HS5#TRPBF" LT-S5-5-TSOT-23_M 760,1230.64 r90 bottom locked (schematic designator U29)
U30_XY "LT6106HS5#TRPBF" LT-S5-5-TSOT-23_M 840,1480.64 r90 bottom locked (schematic designator U30)
U30_YZ "LT6106HS5#TRPBF" LT-S5-5-TSOT-23_M 760,480.64 r90 bottom locked (schematic designator U30)
U30_ZX "LT6106HS5#TRPBF" LT-S5-5-TSOT-23_M 760,980.64 r90 bottom locked (schematic designator U30)
U31_XY "TLV314IDCKR" FP-DCK0005A-MFG 1280,1687.56 r270 bottom locked (schematic designator U31)
U31_YZ "TLV314IDCKR" FP-DCK0005A-MFG 1200,684.43 r270 bottom locked (schematic designator U31)
U31_ZX "TLV314IDCKR" FP-DCK0005A-MFG 1200,1185.37 r270 bottom locked (schematic designator U31)
U32_XY "CSD17318Q2" CSD17318Q2 1433.94,1665.12 r0 bottom locked (schematic designator U32)
U32_YZ "CSD17318Q2" CSD17318Q2 1353.94,515.85 r0 bottom locked (schematic designator U32)
U32_ZX "CSD17318Q2" CSD17318Q2 1353.94,1090.12 r0 bottom locked (schematic designator U32)
U33 "TLV314IDCKR" FP-DCK0005A-MFG 1355,1290 r90 bottom locked
Y1 "NX3215SA-32.768KHZ-EXS00A-MU00525" FP-NX3215SA-MFG 1537.6,2959.06 r270 bottom locked
Y2 "NX3225GA-16.000M-STD-CRG-2" FP-NX3225GA-MFG 1537.6,2919.68 r90 top locked
Y3 "NX3215SA-32.768KHZ-EXS00A-MU00525" FP-NX3215SA-MFG 200,2678.74 r270 bottom locked
Y4 "NX3225GA-16.000M-STD-CRG-2" FP-NX3225GA-MFG 200,2609.84 r90 top locked

## Footprints (in the part's own frame and the unit in brackets; to place one, negate y for a bottom-side part, rotate by r counter-clockwise, add the part's x,y. Pads: shape width x height; smd on the part's side, far side on the other; paste and mask are expansions set on the pad)
CAPC1608X90X35LL10T15 [mm] "Chip Capacitor, 2-Leads, Body 1.7x0.9mm, IPC High Density"
  rect 0.75x0.85 smd: 1(-0.625,0) 2(0.625,0)
  body extent -0.85,-0.45 0.85,0.45, height 0.9
CAPC1608X90X35LL15T15 [mm] "Chip Capacitor, 2-Leads, Body 1.60x0.81mm, IPC High Density"
  rect 0.85x0.9 smd: 1(-0.65,0) 2(0.65,0)
  body extent -0.88,-0.48 0.87,0.48, height 0.9
CAPC1608X90X35ML10T15 [mm] "Chip Capacitor, 2-Leads, Body 1.60x0.80mm, IPC Low Density"
  rect 0.95x1.05 smd: 1(-0.725,0) 2(0.725,0)
  body extent -0.85,-0.45 0.85,0.45, height 0.9
CAPC2013X140X45NL15T25 [mm] "Chip Capacitor, 2-Leads, Body 2.00x1.25mm, IPC Medium Density"
  rect 1.25x1.45 smd: 1(-0.85,0) 2(0.85,0)
  body extent -1.08,-0.7 1.07,0.7, height 1.4
CSD17318Q2 [mm]
  rect 0.45x0.3 smd: 1(-0.975,0.65) 2(-0.975,0) 3(-0.975,-0.65) 4(0.975,-0.65) 5(0.975,0) 6(0.975,0.65)
  rect 0.75x0.3 smd: 7(0.095,-0.65)
  rect 1x0.95 smd: 8(0,0.325)
  silkscreen extent -1.8,0.6 -1.7,0.7, body extent -1,-1 1,1, height 0.9
FP-90120-0125-MFG [mm]
  rect 1.55x1.55 hole 1 paste-2539.97 mask+0: 1(-5.08,0)
  round 1.55 hole 1 paste-2539.97 mask+0: 2(-2.54,0) 3(0,0) 4(2.54,0) 5(5.08,0)
  silkscreen extent -7.07,-1.27 6.35,1.27, body extent -6.45,-1.37 6.45,1.37, height 0.25
FP-473460001-MFG [mm]
  rect 0.45x1.38 smd paste+0 mask+0: 1(-1.3,2.31) 2(-0.65,2.31) 3(0,2.31) 4(0.65,2.31) 5(1.3,2.31)
  rect 1.425x1.55 smd paste+0 mask+0: 6(-2.488,2.225) 7(2.488,2.225)
  rect 1.65x1.3 smd paste+0 mask+0: 8(-3.375,-0.35) 11(3.375,-0.35)
  rect 1.8x1.9 smd paste+0 mask+0: 9(-1.15,-0.35)
  rect 1x1.9 smd paste+0 mask+0: 10(1.55,-0.35)
  silkscreen extent -4.05,0.67 4.05,3.97, body extent -4.3,-2.48 4.3,3.45, height 0.25
FP-532611071-MFG [mm]
  rect 0.8x1.6 smd paste+0 mask+0: 1(5.625,-2.4) 2(4.375,-2.4) 3(3.125,-2.4) 4(1.875,-2.4) 5(0.625,-2.4) 6(-0.625,-2.4) 7(-1.875,-2.4) 8(-3.125,-2.4) 9(-4.375,-2.4) 10(-5.625,-2.4)
  rect 2.1x3 smd paste+0 mask+0: 11(-8.175,0.5) 12(8.175,0.5)
  Keep-Out Layer region: -7.125,-2 -6.125,-2 -6.125,-0.2 -7.125,-0.2
  Keep-Out Layer region: 6.125,-2 7.125,-2 7.125,-0.2 6.125,-0.2
  Keep-Out Layer region: 6.125,1.2 7.125,1.2 7.125,3 6.125,3
  Keep-Out Layer region: -7.125,1.2 -6.125,1.2 -6.125,3 -7.125,3
  silkscreen extent -8.72,-4.2 8.72,2.7, body extent -9.33,-3.3 9.33,2.8, height 0.25
FP-533980471-MFG [mm]
  rect 0.8x1.3 smd paste+0 mask+0: 1(1.875,-2) 2(0.625,-2) 3(-0.625,-2) 4(-1.875,-2)
  rect 2.1x3 smd paste+0 mask+0: 5(-4.425,0.75) 6(4.425,0.75)
  silkscreen extent -4.97,-3.37 4.97,1.95, body extent -5.58,-2.75 5.58,2.35, height 0.25
FP-C0603C-CF-MFG [mm]
  rect 0.75x0.9 smd paste+0 mask+0: 1(-0.6,0) 2(0.6,0)
  silkscreen extent -0.87,-0.85 0.88,0.85, body extent -0.8,-0.4 0.8,0.4, height 0.87
FP-CBR06C-MFG [mm]
  rect 0.75x0.9 smd paste+0 mask+0: 1(-0.6,0) 2(0.6,0)
  silkscreen extent -0.85,-0.82 0.85,0.82, body extent -1.2,-0.6 1.2,0.6, height 0.25
FP-CSR0603-IPC_A [mil]
  rect 45.6x39.85 smd paste+0 mask+0: 1(-32.56,0) 2(32.56,0)
  silkscreen extent -55,-36 55,36, body extent -31,-16 31,16, height 22
FP-DC8-8-05-08-1719-IPC_C [mm]
  rect 0.736x0.222 smd paste+0 mask+0: 1(-0.888,0.675)
  rrect100% 0.736x0.222 smd paste+0 mask+0: 2(-0.888,0.225) 3(-0.888,-0.225) 4(-0.888,-0.675) 5(0.888,-0.675) 6(0.888,-0.225) 7(0.888,0.225) 8(0.888,0.675)
  rect 0.74x1.47 smd paste-1000 mask+0: 9(0,0)
  silkscreen extent -1.78,-1 1,1, body extent -1,-1 1,1, height 0.8
FP-DCK0005A-MFG [mm]
  rect 0.9x0.4 smd paste-1000 mask+0: 1(-1.1,0.65) 2(-1.1,0) 3(-1.1,-0.65) 4(1.1,-0.65) 5(1.1,0.65)
  silkscreen extent -2.22,-1.07 0.27,1.07, body extent -1.1,-1 1.1,1, height 1.1
FP-DCN0008A-IPC_C [mm]
  rect 1.205x0.415 smd paste+0 mask+0: 1(-1.05,0.975)
  rrect100% 1.205x0.415 smd paste+0 mask+0: 2(-1.05,0.325) 3(-1.05,-0.325) 4(-1.05,-0.975) 5(1.05,-0.975) 6(1.05,-0.325) 7(1.05,0.325) 8(1.05,0.975)
  silkscreen extent -2.42,-1.45 0.05,1.45, body extent -1.4,-1.45 1.4,1.45, height 1.45
FP-DCU0008A-IPC_B [mm]
  rect 1.16x0.237 smd paste+0 mask+0: 1(-1.376,0.75)
  rrect100% 1.16x0.237 smd paste+0 mask+0: 2(-1.376,0.25) 3(-1.376,-0.25) 4(-1.376,-0.75) 5(1.376,-0.75) 6(1.376,-0.25) 7(1.376,0.25) 8(1.376,0.75)
  silkscreen extent -2.67,-1 0.3,1, body extent -1.55,-1 1.55,1, height 0.9
FP-DRL0006A-MFG [mm]
  rrect33% 0.67x0.3 smd paste+0 mask+0: 1(-0.74,0.5) 2(-0.74,0) 3(-0.74,-0.5) 4(0.74,-0.5) 5(0.74,0) 6(0.74,0.5)
  silkscreen extent -1.9,-1.05 0.65,1.05, body extent -1.17,-1.1 1.17,1.1, height 0.25
FP-DSJ0014A-MFG [mm]
  rrect100% 0.24x0.6 smd paste+0 mask+0: 1(-1.5,-1.4) 2(-1,-1.4) 3(-0.5,-1.4) 4(0,-1.4) 5(0.5,-1.4) 6(1,-1.4) 7(1.5,-1.4) 8(1.5,1.4) 9(1,1.4) 10(0.5,1.4) 11(0,1.4) 12(-0.5,1.4) 13(-1,1.4) 14(-1.5,1.4)
  round 1.422 smd paste-1000 mask+0: 15(0,0)
  Top Layer region: -2.2,0.79 2.2,0.79 2.2,0.59 1.425,0.59 1.425,0.33 2.2,0.33 2.2,0.13 1.425,0.13 1.425,-0.13 2.2,-0.13 2.2,-0.33 1.425,-0.33 1.425,-0.59 2.2,-0.59 2.2,-0.79 -2.2,-0.79 -2.2,-0.59 -1.425,-0.59 -1.425,-0.33 -2.2,-0.33 -2.2,-0.13 -1.425,-0.13 -1.425,0.13 -2.2,0.13 -2.2,0.33 -1.425,0.33 -1.425,0.59 -2.2,0.59
  silkscreen extent -2.9,-1.6 2.07,1.58, body extent -2.3,-1.8 2.3,1.8, height 0.25
FP-ERA3A-IPC_B [mil]
  rect 41.53x39.61 smd paste+0 mask+0: 1(-28.57,0) 2(28.57,0)
  silkscreen extent -49,-36 49,36, body extent -59,-30 59,30, height 10
FP-ERA3A-IPC_C [mil]
  rect 31.7x35.68 smd paste+0 mask+0: 1(-25.61,0) 2(25.61,0)
  silkscreen extent -41,-35 41,35, body extent -45,-24 45,24, height 10
FP-ERA3A-MFG [mm]
  rect 0.65x0.9 smd paste+0 mask+0: 1(-0.725,0) 2(0.725,0)
  silkscreen extent 0,-0.5 0,0.5, body extent -1.15,-0.6 1.15,0.6, height 0.25
FP-ERJ3EK-IPC_C [mil]
  rect 29.78x33.94 smd paste+0 mask+0: 1(-25.62,0) 2(25.62,0)
  silkscreen extent -41,-34 41,34, body extent -31,-16 31,16, height 22
FP-ERJ3EK-MFG [mm]
  rect 0.65x0.9 smd paste+0 mask+0: 1(-0.725,0) 2(0.725,0)
  silkscreen extent 0,-0.48 0,0.48, body extent -0.8,-0.4 0.8,0.4, height 0.55
FP-ERJP03-MFG [mm]
  rect 0.65x0.9 smd paste+0 mask+0: 1(-0.725,0) 2(0.725,0)
  silkscreen extent -0.87,-0.62 0.87,0.63, body extent -1.15,-0.58 1.15,0.58, height 0.25
FP-FSM2JSMAA-MFG [mm]
  rect 1.38x2.1 smd paste+0 mask+0: 1(2.25,4.55) 2(2.24,-4.55) 3(-2.24,4.55) 4(-2.24,-4.55)
  silkscreen extent -3.15,-3.15 3.15,6.5, body extent -3.25,-5.7 3.25,5.7, height 0.25
FP-GRM21B-0_2-e0_2_0_7-IPC_C#1 [mil]
  rect 41.52x53.39 smd paste+0 mask+0: 1(-28.57,-8.68) 2(28.57,-8.68)
  silkscreen extent -49,-44 49,44, body extent -39,-25 39,25, height 57
FP-GRM21B-0_2-e0_2_0_7-IPC_C#2 [mil]
  rect 41.52x53.39 smd paste+0 mask+0: 1(-28.57,0) 2(28.57,0)
  silkscreen extent -49,-44 49,44, body extent -39,-25 39,25, height 57
FP-GRM188-0_1-e0_2_0_5-IPC_A [mil]
  rect 45.62x39.85 smd paste+0 mask+0: 1(-32.55,0) 2(32.55,0)
  silkscreen extent -55,-36 55,36, body extent -31,-16 31,16, height 35
FP-GRM188-0_15-IPC_A [mil]
  rect 49.46x41.66 smd paste+0 mask+0: 1(-31.53,0) 2(31.53,0)
  silkscreen extent -56,-37 56,37
FP-IPT1-105-03-L-D-MFG [mm]
  rect 1.57x1.57 hole 1.02 paste-2539.97 mask+0: 1(-5.08,-1.27)
  round 1.57 hole 1.02 paste-2539.97 mask+0: 2(-5.08,1.27) 3(-2.54,-1.27) 4(-2.54,1.27) 5(0,-1.27) 6(0,1.27) 7(2.54,-1.27) 8(2.54,1.27) 9(5.08,-1.27) 10(5.08,1.27)
  silkscreen extent -7.53,-2.61 6.73,2.61, body extent -6.6,-2.54 6.6,2.54, height 11.43
FP-LQFP100-1L-MFG [mm]
  rect 1.2x0.3 smd paste+0 mask+0: 1(-7.75,6) 2(-7.75,5.5) 3(-7.75,5) 4(-7.75,4.5) 5(-7.75,4) 6(-7.75,3.5) 7(-7.75,3) 8(-7.75,2.5) 9(-7.75,2) 10(-7.75,1.5) 11(-7.75,1) 12(-7.75,0.5) 13(-7.75,0) 14(-7.75,-0.5) 15(-7.75,-1) 16(-7.75,-1.5) 17(-7.75,-2) 18(-7.75,-2.5) 19(-7.75,-3) 20(-7.75,-3.5) 21(-7.75,-4) 22(-7.75,-4.5) 23(-7.75,-5) 24(-7.75,-5.5) 25(-7.75,-6) 51(7.75,-6) 52(7.75,-5.5) 53(7.75,-5) 54(7.75,-4.5) 55(7.75,-4) 56(7.75,-3.5) 57(7.75,-3) 58(7.75,-2.5) 59(7.75,-2) 60(7.75,-1.5) 61(7.75,-1) 62(7.75,-0.5) 63(7.75,0) 64(7.75,0.5) 65(7.75,1) 66(7.75,1.5) 67(7.75,2) 68(7.75,2.5) 69(7.75,3) 70(7.75,3.5) 71(7.75,4) 72(7.75,4.5) 73(7.75,5) 74(7.75,5.5) 75(7.75,6)
  rect 0.3x1.2 smd paste+0 mask+0: 26(-6,-7.75) 27(-5.5,-7.75) 28(-5,-7.75) 29(-4.5,-7.75) 30(-4,-7.75) 31(-3.5,-7.75) 32(-3,-7.75) 33(-2.5,-7.75) 34(-2,-7.75) 35(-1.5,-7.75) 36(-1,-7.75) 37(-0.5,-7.75) 38(0,-7.75) 39(0.5,-7.75) 40(1,-7.75) 41(1.5,-7.75) 42(2,-7.75) 43(2.5,-7.75) 44(3,-7.75) 45(3.5,-7.75) 46(4,-7.75) 47(4.5,-7.75) 48(5,-7.75) 49(5.5,-7.75) 50(6,-7.75) 76(6,7.75) 77(5.5,7.75) 78(5,7.75) 79(4.5,7.75) 80(4,7.75) 81(3.5,7.75) 82(3,7.75) 83(2.5,7.75) 84(2,7.75) 85(1.5,7.75) 86(1,7.75) 87(0.5,7.75) 88(0,7.75) 89(-0.5,7.75) 90(-1,7.75) 91(-1.5,7.75) 92(-2,7.75) 93(-2.5,7.75) 94(-3,7.75) 95(-3.5,7.75) 96(-4,7.75) 97(-4.5,7.75) 98(-5,7.75) 99(-5.5,7.75) 100(-6,7.75)
  silkscreen extent -9.12,-7.1 7.1,7.1, body extent -8,-8 8,8, height 1.6
FP-M20-9990245-MFG [mm]
  rect 1.57x1.57 hole 1.02 paste-2539.97 mask+0: 1(-1.27,0)
  round 1.57 hole 1.02 paste-2539.97 mask+0: 2(1.27,0)
  silkscreen extent -2.79,-1.92 2.79,1.32, body extent -2.89,-1.42 2.89,1.42, height 0.25
FP-NX3215SA-MFG [mm]
  rect 1x1.8 smd paste+0 mask+0: 1(-1.25,0) 2(1.25,0)
  silkscreen extent -0.38,-0.8 0.38,0.8, body extent -1.6,-0.75 1.6,0.75, height 0.9